# Altium PCB m-BLANC.PcbDoc (part 6 of 15)
Units mm, origin at the board's own origin, x right, y up, seen from the top; angles counter-clockwise.
Board outline 100 x 100 mm, 6 copper layers (Top Layer, InLayer1 (GND), InLayer2 (Signal), InLayer3 (PWR), InLayer4 (GND), Bottom Layer), stack 1.634 mm thick; 322 components, 563 nets, 2865 pads, 1870 vias.
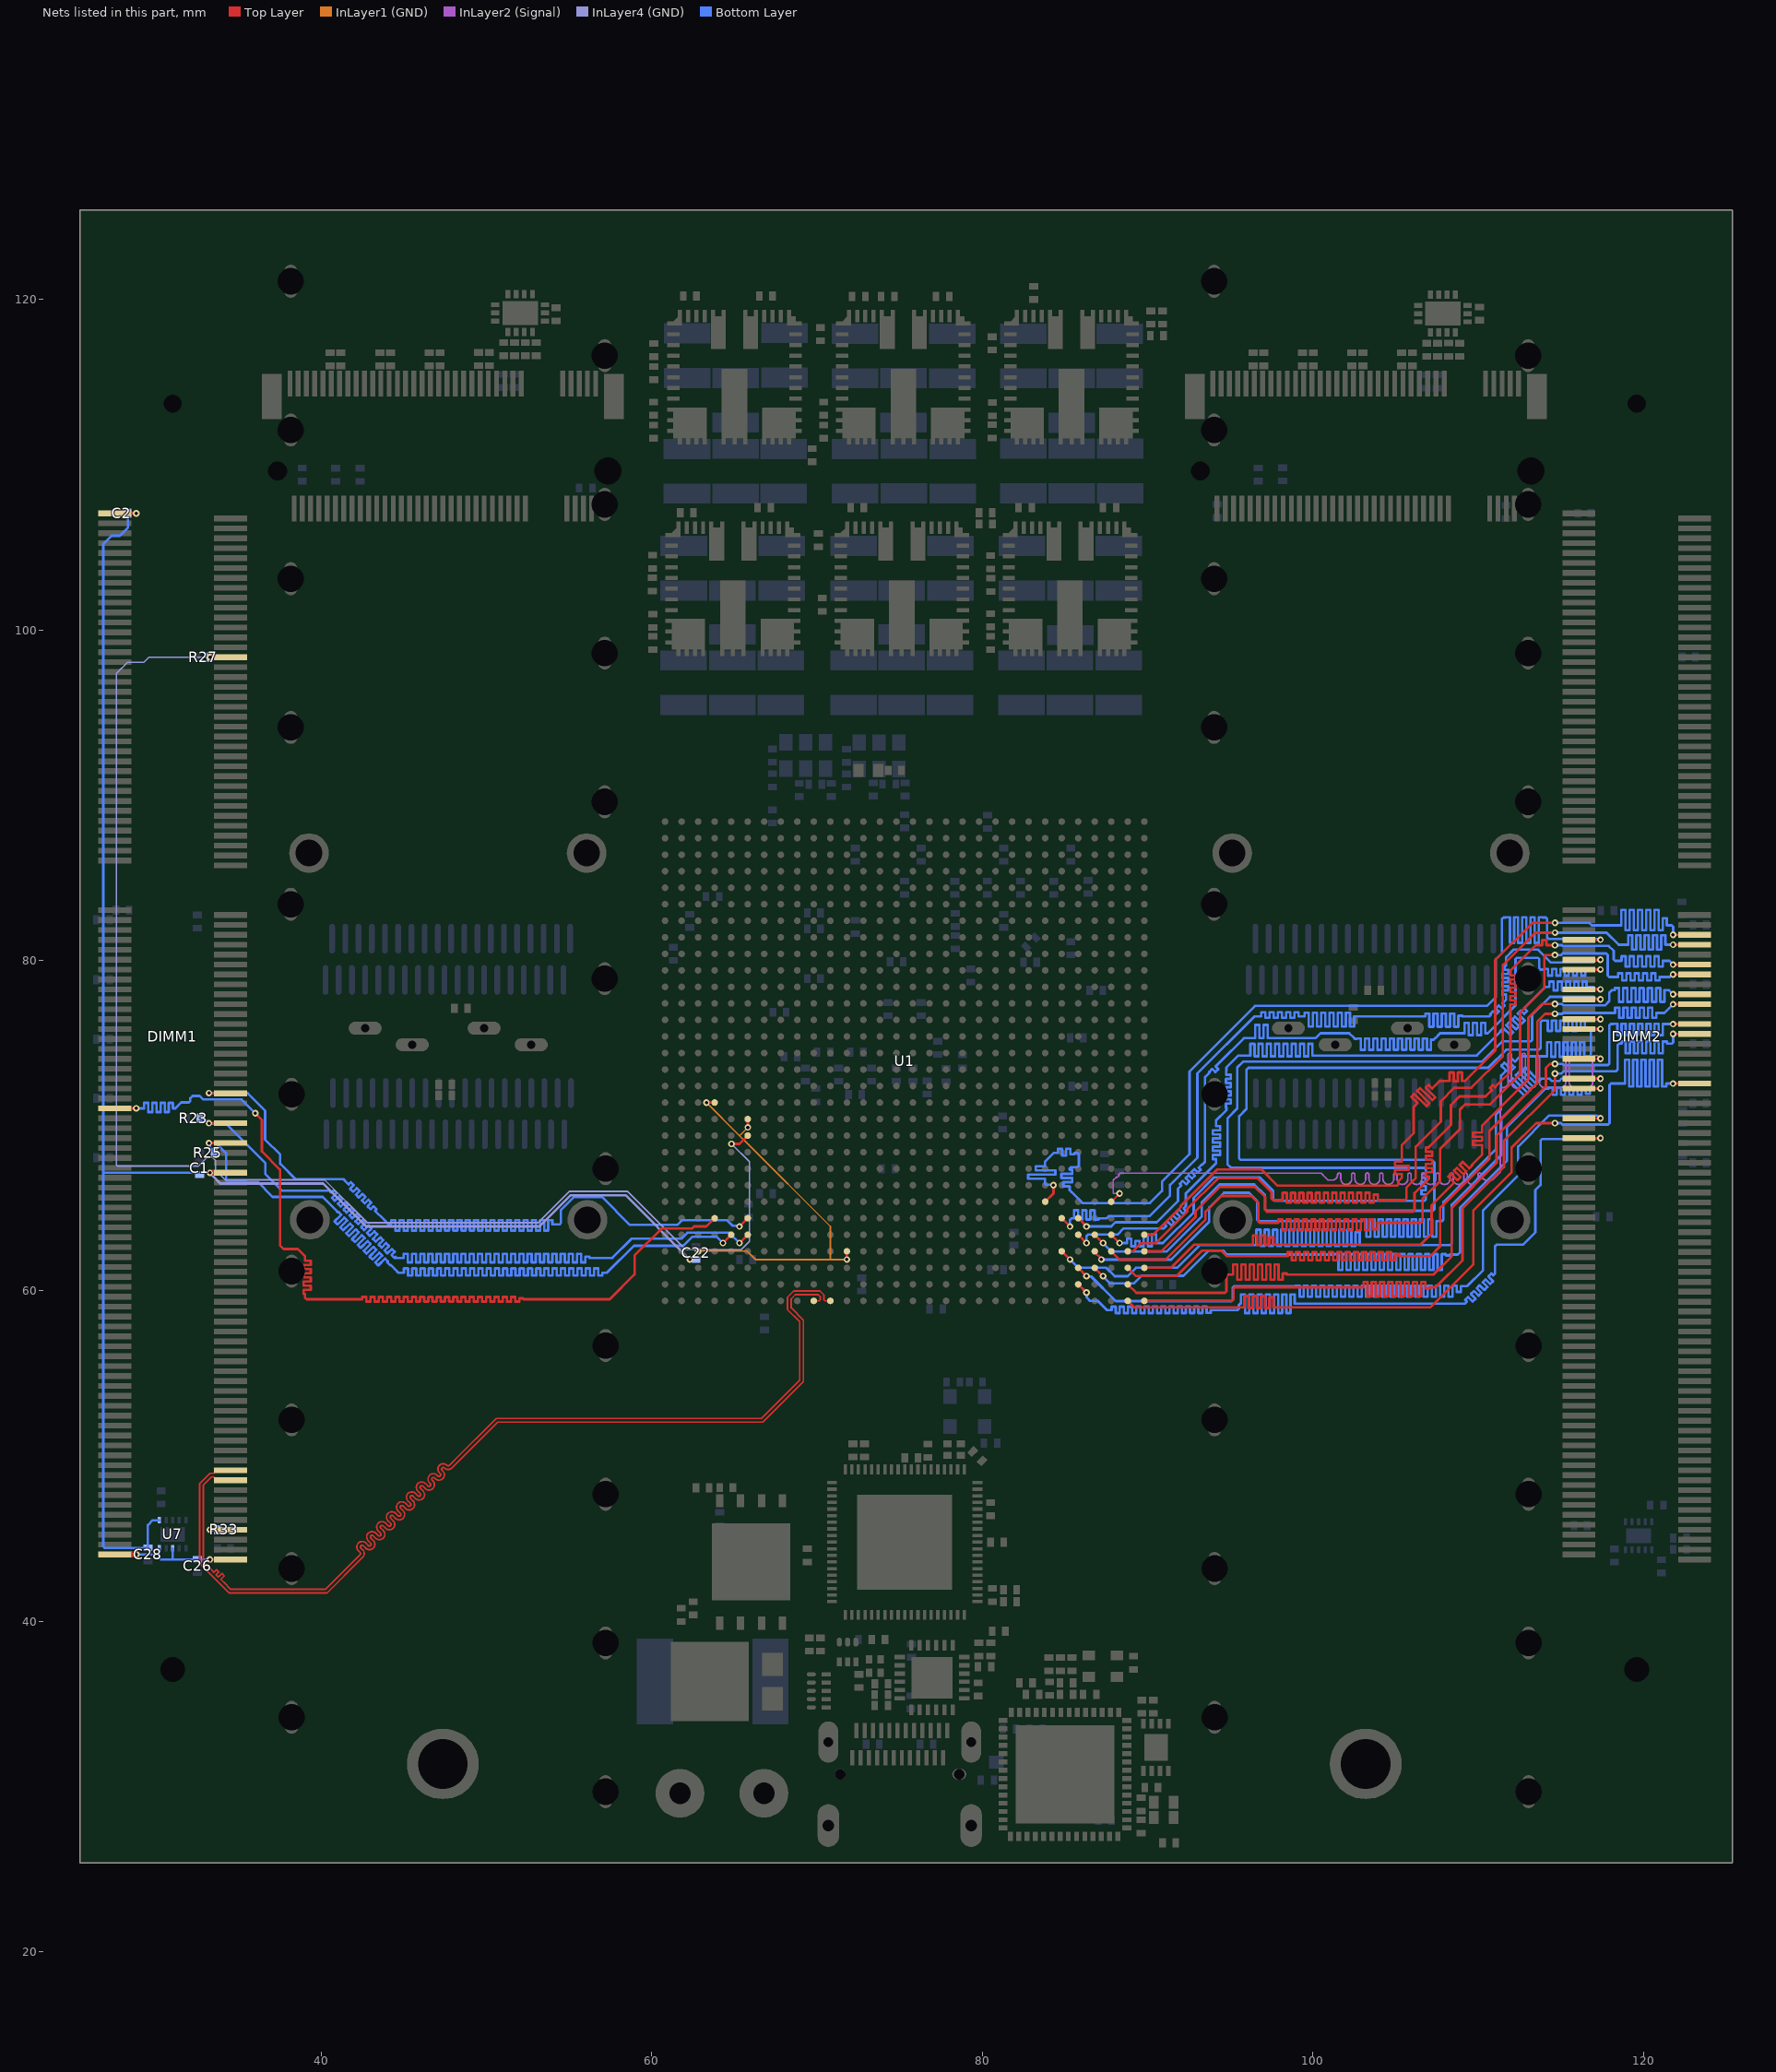
[diagram p10: the nets of this part, all layers, seen from the top]

## Via types
v1: diameter 0.4, hole 0.2, Top Layer to Bottom Layer, tented both sides, 1808 vias
v2: diameter 0.8, hole 0.4, Top Layer to Bottom Layer, tented both sides, 54 vias
v3: diameter 5, hole 3.2, Top Layer to Bottom Layer, 4 vias
v4: diameter 3.5, hole 3.2, Top Layer to Bottom Layer, 4 vias

## Nets (pads, with @x,y where several pads share a name; then routed paths per layer and width w, separated by ;. In a path a pad name is that pad's centre, name@x,y a point inside that pad or via, vN(x,y) a via of type N, cw(c..) or ccw(c..) an arc to the next point about the centre after c; other vN are vias at no path point) (continued)
DRAM1_DQS7_N: DIMM1.186 U1.AA30 | length 64.8
  Top Layer w0.1: DIMM1.186@34.5,49.15 33.675,49.15 33.55,49.025 33.55,49.021 33.491,48.962 33.257,48.962 32.625,48.331 32.625,43.522 34.431,41.717 40.335,41.717 42.382,43.764 42.496,43.878 ccw(c42.267,44.108) 42.53,44.3 42.53,44.305 42.497,44.338 ; 42.537,44.581 ccw(c42.465,44.511) 42.395,44.44 42.496,44.339 ; 42.537,44.581 42.681,44.437 ccw(c42.91,44.667) 43.14,44.437 ; 42.996,45.041 cw(c43.066,45.112) 43.138,45.182 ; 42.997,45.04 43.14,44.897 cw(c42.91,44.667) 43.141,44.438 ; 43.138,45.182 43.282,45.038 ccw(c43.512,45.268) 43.741,45.038 ccw(c43.512,45.268) 43.741,45.498 ; 43.597,45.642 cw(c43.667,45.713) 43.739,45.783 43.883,45.639 ccw(c44.113,45.869) 44.342,45.639 ; 43.598,45.641 43.741,45.498 ; 44.199,46.242 44.342,46.099 cw(c44.113,45.869) 44.343,45.64 ; 44.198,46.243 cw(c44.269,46.314) 44.34,46.384 44.484,46.24 ccw(c44.714,46.47) 44.943,46.24 ; 44.941,46.985 ccw(c44.87,46.915) 44.799,46.844 44.943,46.7 cw(c44.714,46.47) 44.944,46.241 ; 44.941,46.985 45.085,46.841 ccw(c45.315,47.071) 45.544,47.301 45.401,47.445 ; 45.4,47.445 cw(c45.471,47.516) 45.4,47.587 cw(c45.471,47.516) 45.542,47.586 ; 45.542,47.586 45.686,47.442 ccw(c45.916,47.672) 46.145,47.902 ; 46.001,48.046 cw(c46.072,48.117) 46.001,48.188 cw(c46.072,48.117) 46.143,48.187 46.287,48.043 ccw(c46.517,48.273) 46.746,48.503 46.706,48.543 ; 46.002,48.046 46.145,47.903 ; 46.706,48.544 cw(c46.776,48.615) 46.705,48.685 cw(c46.776,48.615) 46.847,48.685 ; 46.847,48.685 46.888,48.644 ccw(c47.118,48.874) 47.347,49.104 47.306,49.146 ; 47.305,49.146 cw(c47.376,49.217) 47.305,49.288 cw(c47.376,49.217) 47.446,49.288 ; 47.447,49.287 ccw(c47.676,49.518) 47.907,49.288 48.102,49.484 ; 48.103,49.485 48.218,49.6 50.679,52.061 66.718,52.061 69.173,54.515 69.173,58.231 68.432,58.973 68.432,59.527 68.68,59.775 70.071,59.775 70.187,59.658 70.187,59.459 70.129,59.4 U1.AA30@69.8,59.4 ; 42.497,44.338 ccw(c42.267,44.108) 42.496,44.339
DRAM1_DQS7_P: DIMM1.188 U1.Y30 | length 65.5
  Top Layer w0.1: DIMM1.188@34.5,48.55 33.675,48.55 33.55,48.675 33.55,48.679 33.491,48.737 33.35,48.737 32.85,48.237 32.85,43.615 33.392,43.073 33.492,42.974 33.656,43.138 33.797,42.997 33.633,42.833 33.774,42.691 33.982,42.899 34.124,42.758 33.916,42.55 34.057,42.408 34.093,42.373 34.524,41.942 40.242,41.942 42.223,43.923 42.337,44.037 ccw(c42.267,44.108) 42.337,44.18 ; 42.337,44.18 42.236,44.281 cw(c42.465,44.511) 42.696,44.74 42.839,44.597 ; 42.839,44.596 ccw(c42.91,44.667) 42.981,44.596 ccw(c42.91,44.667) 42.981,44.738 42.837,44.882 cw(c43.066,45.112) 43.297,45.341 43.44,45.198 ccw(c43.512,45.268) 43.582,45.197 ccw(c43.512,45.268) 43.582,45.339 43.438,45.483 cw(c43.667,45.713) 43.898,45.942 44.041,45.799 ccw(c44.113,45.869) 44.183,45.798 ccw(c44.113,45.869) 44.183,45.94 ; 44.183,45.94 44.039,46.084 cw(c44.269,46.314) 44.499,46.543 ; 44.499,46.543 44.642,46.4 ; 44.643,46.4 ccw(c44.714,46.47) 44.784,46.399 ccw(c44.714,46.47) 44.784,46.541 44.64,46.685 cw(c44.87,46.915) 45.1,47.144 ; 45.1,47.144 45.243,47.001 ; 45.24,47.745 ccw(c45.471,47.516) 45.241,47.286 45.385,47.142 cw(c45.315,47.071) 45.244,47.001 ; 45.241,47.746 cw(c45.471,47.516) 45.701,47.745 45.844,47.602 ccw(c45.916,47.672) 45.986,47.743 45.842,47.887 cw(c46.072,48.117) 45.841,48.346 ; 45.842,48.347 cw(c46.072,48.117) 46.302,48.346 46.445,48.203 ccw(c46.517,48.273) 46.587,48.344 ; 46.546,48.844 ccw(c46.776,48.615) 46.546,48.385 46.587,48.344 ; 46.547,48.845 cw(c46.776,48.615) 47.006,48.844 47.046,48.804 ; 47.047,48.804 ccw(c47.118,48.874) 47.188,48.945 47.146,48.987 cw(c47.376,49.217) 47.145,49.446 ; 47.146,49.448 cw(c47.376,49.217) 47.605,49.447 ; 47.606,49.447 ccw(c47.676,49.518) 47.747,49.447 ; 47.748,49.448 47.943,49.643 ; 47.944,49.644 48.059,49.759 50.586,52.286 66.625,52.286 68.948,54.608 68.948,58.138 68.207,58.879 68.207,59.62 68.587,60 70.164,60 70.413,59.751 70.413,59.459 70.471,59.4 U1.Y30@70.8,59.4
DRAM1_EVENT#: DIMM1.198 R33.1 | length 1.7
  Top Layer w0.15: v1(33.25,45.55) DIMM1.198@34.5,45.55
  Bottom Layer w0.15: v1(33.25,45.55) 33.704,45.55 R33.1@33.71,45.556
DRAM1_ODT0: DIMM1.116 R23.1 U1.AE26 | length 70.7
  Top Layer w0.15: v1(33.2,70.15) DIMM1.116@34.5,70.15 ; v1(65.3,62.9) U1.AE26@65.8,63.4
  Bottom Layer w0.15: R23.1@32.649,70.458 32.771,70.336 32.987,70.336 33.173,70.15 v1(33.2,70.15) 33.226,70.124 34.228,70.124 36.603,67.75 36.603,67.097 37.635,66.065 40.487,66.065 40.55,66.001 40.604,65.948 40.734,66.079 40.911,65.902 40.64,65.631 40.817,65.454 41.088,65.725 41.265,65.548 40.994,65.277 41.17,65.101 41.441,65.372 41.618,65.195 41.347,64.924 41.524,64.747 41.795,65.018 41.972,64.841 41.701,64.57 41.878,64.394 42.148,64.664 42.325,64.488 42.054,64.217 42.231,64.04 42.502,64.311 42.679,64.134 42.408,63.863 42.585,63.686 42.856,63.957 43.032,63.781 42.761,63.51 42.938,63.333 43.209,63.604 43.386,63.427 43.115,63.156 43.292,62.979 43.563,63.25 43.739,63.073 43.469,62.803 43.645,62.626 43.916,62.897 44.093,62.72 43.822,62.449 43.999,62.272 44.27,62.543 44.447,62.366 44.246,62.166 44.423,61.989 44.493,62.059 44.551,62 44.66,62 44.9,62 44.975,62 44.975,62.251 45.225,62.251 45.225,61.729 45.475,61.729 45.475,62.251 45.725,62.251 45.725,61.729 45.975,61.729 45.975,62.251 46.225,62.251 46.225,61.729 46.475,61.729 46.475,62.251 46.725,62.251 46.725,61.729 46.975,61.729 46.975,62.251 47.225,62.251 47.225,61.729 47.475,61.729 47.475,62.251 47.725,62.251 47.725,61.729 47.975,61.729 47.975,62.251 48.225,62.251 48.225,61.729 48.475,61.729 48.475,62.251 48.725,62.251 48.725,61.729 48.975,61.729 48.975,62.251 49.225,62.251 49.225,61.729 49.475,61.729 49.475,62.251 49.725,62.251 49.725,61.729 49.975,61.729 49.975,62.251 50.225,62.251 50.225,61.729 50.475,61.729 50.475,62.251 50.725,62.251 50.725,61.729 50.975,61.729 50.975,62.251 51.225,62.251 51.225,61.729 51.475,61.729 51.475,62.251 51.725,62.251 51.725,61.729 51.975,61.729 51.975,62.251 52.225,62.251 52.225,61.729 52.475,61.729 52.475,62.251 52.725,62.251 52.725,61.729 52.975,61.729 52.975,62.251 53.225,62.251 53.225,61.729 53.475,61.729 53.475,62.251 53.725,62.251 53.725,61.729 53.975,61.729 53.975,62.251 54.225,62.251 54.225,61.729 54.475,61.729 54.475,62.251 54.725,62.251 54.725,61.729 54.975,61.729 54.975,62.251 55.225,62.251 55.225,61.729 55.475,61.729 55.475,62.251 55.725,62.251 55.725,61.729 55.975,61.729 55.975,62.075 56.225,62.075 56.225,62 57.391,62 57.6,62 58.766,63.166 61.788,63.166 62.147,63.525 64.675,63.525 v1(65.3,62.9)
DRAM1_ODT1: DIMM1.120 R25.1 U1.AF26 | length 69.4
  Top Layer w0.15: v1(33.2,68.95) DIMM1.120@34.5,68.95 ; v1(64.3,62.9) U1.AF26@64.8,63.4
  Bottom Layer w0.15: R25.1@33.51,68.349 33.51,68.424 33.248,68.686 33.248,68.902 v1(33.2,68.95) 33.615,68.95 34.245,68.32 34.245,66.688 34.332,66.6 36.14,66.6 37.046,65.693 40.071,65.693 40.949,64.815 41.003,64.762 41.032,64.791 41.208,64.615 40.793,64.2 40.97,64.023 41.385,64.438 41.562,64.261 41.147,63.846 41.324,63.669 41.739,64.084 41.915,63.907 41.501,63.493 41.677,63.316 42.092,63.731 42.269,63.554 41.854,63.139 42.031,62.962 42.446,63.377 42.623,63.2 42.208,62.785 42.384,62.609 42.799,63.024 42.976,62.847 42.561,62.432 42.738,62.255 43.153,62.67 43.33,62.493 42.915,62.078 43.092,61.902 43.506,62.316 43.683,62.14 43.268,61.725 43.445,61.548 43.86,61.963 44.037,61.786 43.991,61.74 44.168,61.564 44.184,61.58 44.422,61.342 44.665,61.1 44.922,61.1 44.997,61.1 44.997,61.369 45.247,61.369 45.247,60.936 45.497,60.936 45.497,61.369 45.747,61.369 45.747,60.936 45.997,60.936 45.997,61.369 46.247,61.369 46.247,60.936 46.497,60.936 46.497,61.369 46.747,61.369 46.747,60.936 46.997,60.936 46.997,61.369 47.247,61.369 47.247,60.936 47.497,60.936 47.497,61.369 47.747,61.369 47.747,60.936 47.997,60.936 47.997,61.369 48.247,61.369 48.247,60.936 48.497,60.936 48.497,61.369 48.747,61.369 48.747,60.936 48.997,60.936 48.997,61.369 49.247,61.369 49.247,60.936 49.497,60.936 49.497,61.369 49.747,61.369 49.747,60.936 49.997,60.936 49.997,61.369 50.247,61.369 50.247,60.936 50.497,60.936 50.497,61.369 50.747,61.369 50.747,60.936 50.997,60.936 50.997,61.369 51.247,61.369 51.247,60.936 51.497,60.936 51.497,61.369 51.747,61.369 51.747,60.936 51.997,60.936 51.997,61.369 52.247,61.369 52.247,60.936 52.497,60.936 52.497,61.369 52.747,61.369 52.747,60.936 52.997,60.936 52.997,61.369 53.247,61.369 53.247,60.936 53.497,60.936 53.497,61.369 53.747,61.369 53.747,60.936 53.997,60.936 53.997,61.369 54.247,61.369 54.247,60.936 54.497,60.936 54.497,61.369 54.747,61.369 54.747,60.936 54.997,60.936 54.997,61.369 55.247,61.369 55.247,60.936 55.497,60.936 55.497,61.369 55.747,61.369 55.747,60.936 55.997,60.936 55.997,61.369 56.247,61.369 56.247,60.936 56.497,60.936 56.497,61.369 56.747,61.369 56.747,60.936 56.997,60.936 56.997,61.1 57.095,61.1 57.274,61.1 58.91,62.737 61.899,62.737 62.438,63.275 63.925,63.275 v1(64.3,62.9)
DRAM1_RAS#: DIMM1.110 U1.AE25 | length 68.1
  Top Layer w0.15: v1(33.2,71.975) 33.212,71.963 34.487,71.963 DIMM1.110@34.5,71.95 ; v1(65.3,63.9) U1.AE25@65.8,64.4
  Bottom Layer w0.15: v1(33.2,71.975) 35.531,71.975 36.598,70.909 36.598,69.154 37.505,68.247 37.505,67.695 38.435,66.765 41.335,66.765 41.6,66.5 41.653,66.447 41.785,66.579 41.962,66.402 41.74,66.18 41.917,66.003 42.139,66.225 42.315,66.049 42.093,65.827 42.27,65.65 42.492,65.872 42.669,65.695 42.447,65.473 42.624,65.296 42.846,65.518 43.023,65.342 42.8,65.119 42.977,64.943 43.161,65.126 43.338,64.95 43.244,64.856 43.812,64.288 44.072,64.028 44.156,64.028 44.231,64.028 44.231,64.283 44.481,64.283 44.481,63.653 44.731,63.653 44.731,64.283 44.981,64.283 44.981,63.653 45.231,63.653 45.231,64.283 45.481,64.283 45.481,63.653 45.731,63.653 45.731,64.283 45.981,64.283 45.981,63.653 46.231,63.653 46.231,64.283 46.481,64.283 46.481,63.653 46.731,63.653 46.731,64.283 46.981,64.283 46.981,63.653 47.231,63.653 47.231,64.283 47.481,64.283 47.481,63.653 47.731,63.653 47.731,64.283 47.981,64.283 47.981,63.653 48.231,63.653 48.231,64.283 48.481,64.283 48.481,63.653 48.731,63.653 48.731,64.283 48.981,64.283 48.981,63.653 49.231,63.653 49.231,64.283 49.481,64.283 49.481,63.653 49.731,63.653 49.731,64.283 49.981,64.283 49.981,63.653 50.231,63.653 50.231,64.283 50.481,64.283 50.481,63.653 50.731,63.653 50.731,64.283 50.981,64.283 50.981,63.653 51.231,63.653 51.231,64.283 51.481,64.283 51.481,63.653 51.731,63.653 51.731,64.283 51.981,64.283 51.981,63.653 52.231,63.653 52.231,64.283 52.481,64.283 52.481,63.653 52.731,63.653 52.731,64.283 52.981,64.283 52.981,63.653 53.231,63.653 53.231,64.283 53.481,64.283 53.481,63.653 53.731,63.653 53.731,64.283 53.981,64.283 53.981,64.028 54.121,64.028 54.412,64.028 54.5,64.116 54.5,64.9 55.286,65.686 56.987,65.686 58.673,64 61.533,64 61.808,64.275 64.557,64.275 64.884,63.948 65.252,63.948 v1(65.3,63.9)
DRAM1_RESET#: DIMM1.30 R27.1 U1.AE20 | length 87.6
  Top Layer w0.15: v1(33.25,98.35) DIMM1.30@34.5,98.35 ; v1@64.826,68.9 65.3,68.9 U1.AE20@65.8,69.4
  InLayer4 (GND) w0.1: v1(33.25,98.35) 29.565,98.35 29.258,98.043 28.279,98.043 27.6,97.364 27.6,67.619 27.659,67.56 32.565,67.56 33.105,68.1 33.395,68.1 33.6,67.895 33.6,67.307 34.182,66.725 40.193,66.725 42.793,64.125 53.102,64.125 54.998,66.02 58.533,66.02 62.054,62.5 65.395,62.5 65.9,63.005 65.9,67.815 v1(64.815,68.9)
DRAM1_VTT: C26.1 DIMM1.203 DIMM1.204 U7.3 U7.5 | length 8.3
  Top Layer w0.15: v1(33.25,43.75) DIMM1.204@34.5,43.75
  Top Layer w0.35: DIMM1.203@27.5,44.05 v1(28.8,44.05)
  Bottom Layer w0.15: v1(28.8,44.05) 30.2,44.05 ; U7.5@30.2,44.425 30.2,44.05 ; U7.3@31,44.425 31,43.75 ; v1(33.25,43.75) 32.494,43.75 31,43.75 ; 30.2,44.05 30.2,43.838 30.288,43.75 31,43.75
DRAM1_VTTREF: C1.2 C2.2 C22.2 C28.2 DIMM1.1 DIMM1.126 U1.AE19 U1.AG18 U1.AH27 U1.W27 U7.6 | length 136
  Top Layer w0.15: DIMM1.1@27.5,107.05 v1@28.75,107.05 ; v1(62.3,61.9) U1.AH27@62.8,62.4 ; v1(63.3,71.4) U1.AG18@63.8,71.4 ; U1.AE19@65.8,70.4 65.802,70.398 65.802,69.902 v1(65.805,69.9) ; v1(71.8,61.9) U1.W27@71.8,62.4
  Top Layer w0.35: v1(33.25,67.15) DIMM1.126@34.5,67.15
  InLayer1 (GND) w0.1: v1(62.3,61.9) 62.812,62.412 65.764,62.412 66.276,61.9 70.8,61.9 ; v1(63.3,71.4) 65.302,69.398 ; v1(65.805,69.9) 65.302,69.398 ; v1(71.8,61.9) 70.8,61.9 ; 65.302,69.398 65.7,69 65.705,69 70.8,63.905 70.8,61.9
  InLayer4 (GND) w0.15: v1(33.25,67.15) 33.9,66.5 40.1,66.5 42.7,63.9 53.2,63.9 55.095,65.795 58.405,65.795 v1(62.3,61.9)
  Bottom Layer w0.15: C2.2@28.306,107.058 C2.2@28.3,107.051 ; v1@28.75,107.05 C2.2@28.3,107.05 ; U7.6@30.2,46.125 29.795,46.125 29.5,45.83 C28.2@29.5,44.45 26.888,44.45 26.8,44.538 26.8,67.15 ; v1(33.25,67.15) 26.8,67.15 ; 26.8,67.15 26.8,105.2 27.3,105.7 27.8,105.7 28.3,106.2 C2.2@28.3,107.05
  other v1: 28.8,107.05
DRAM1_WE#: DIMM1.113 U1.AG25 | length 67.7
  Top Layer w0.15: DIMM1.113@27.5,71.05 v1(28.8,71.05) ; v1(36,70.75) 36.401,70.35 36.401,68.446 37.5,67.346 37.5,62.755 37.716,62.539 38.572,62.539 39.016,62.095 39.016,61.895 39.016,61.82 39.355,61.82 39.355,61.57 38.919,61.57 38.919,61.32 39.355,61.32 39.355,61.07 38.919,61.07 38.919,60.82 39.355,60.82 39.355,60.57 38.919,60.57 38.919,60.32 39.355,60.32 39.355,60.07 38.919,60.07 38.919,59.82 39.016,59.82 39.016,59.585 39.077,59.523 39.104,59.497 42.399,59.497 42.474,59.497 42.474,59.632 42.724,59.632 42.724,59.36 42.974,59.36 42.974,59.632 43.224,59.632 43.224,59.36 43.474,59.36 43.474,59.632 43.724,59.632 43.724,59.36 43.974,59.36 43.974,59.632 44.224,59.632 44.224,59.36 44.474,59.36 44.474,59.632 44.724,59.632 44.724,59.36 44.974,59.36 44.974,59.632 45.224,59.632 45.224,59.36 45.474,59.36 45.474,59.632 45.724,59.632 45.724,59.36 45.974,59.36 45.974,59.632 46.224,59.632 46.224,59.36 46.474,59.36 46.474,59.632 46.724,59.632 46.724,59.36 46.974,59.36 46.974,59.632 47.224,59.632 47.224,59.36 47.474,59.36 47.474,59.632 47.724,59.632 47.724,59.36 47.974,59.36 47.974,59.632 48.224,59.632 48.224,59.36 48.474,59.36 48.474,59.632 48.724,59.632 48.724,59.36 48.974,59.36 48.974,59.632 49.224,59.632 49.224,59.36 49.474,59.36 49.474,59.632 49.724,59.632 49.724,59.36 49.974,59.36 49.974,59.632 50.224,59.632 50.224,59.36 50.474,59.36 50.474,59.632 50.724,59.632 50.724,59.36 50.974,59.36 50.974,59.632 51.224,59.632 51.224,59.36 51.474,59.36 51.474,59.632 51.724,59.632 51.724,59.36 51.974,59.36 51.974,59.55 52.224,59.55 52.224,59.497 52.482,59.497 57.45,59.497 58.949,60.997 58.949,62.14 60.584,63.775 62.426,63.775 62.551,63.9 63.3,63.9 U1.AG25@63.8,64.4
  Bottom Layer w0.15: v1(28.8,71.05) 29.194,71.05 29.269,71.05 29.269,71.384 29.519,71.384 29.519,70.823 29.769,70.823 29.769,71.384 30.019,71.384 30.019,70.823 30.269,70.823 30.269,71.384 30.519,71.384 30.519,70.823 30.769,70.823 30.769,71.384 31.019,71.384 31.019,71.05 31.16,71.05 31.262,71.152 31.517,71.407 31.978,71.407 32.066,71.495 32.066,71.658 32.208,71.8 32.635,71.8 32.852,71.583 35.167,71.583 v1(36,70.75)
DRAM2_A0: DIMM2.98 U1.A30 | length 65
  Top Layer w0.15: U1.A30@89.8,59.4 95.112,59.4 95.2,59.488 95.2,60.13 95.288,60.218 102.984,60.218 103.059,60.218 103.059,60.536 103.309,60.536 103.309,59.685 103.559,59.685 103.559,60.536 103.809,60.536 103.809,59.685 104.059,59.685 104.059,60.536 104.309,60.536 104.309,59.685 104.559,59.685 104.559,60.536 104.809,60.536 104.809,59.685 105.059,59.685 105.059,60.536 105.309,60.536 105.309,59.685 105.559,59.685 105.559,60.536 105.809,60.536 105.809,59.685 106.059,59.685 106.059,60.536 106.309,60.536 106.309,59.685 106.559,59.685 106.559,60.536 106.809,60.536 106.809,60.15 107.059,60.15 107.059,60.218 107.418,60.218 107.464,60.264 109.051,61.851 109.051,64.987 111.562,67.498 111.562,69.086 114.65,72.175 v1(114.65,73.152) ; v1(121.8,75.55) DIMM2.98@123.1,75.55
  Bottom Layer w0.15: v1(114.65,73.152) 115.032,73.152 115.181,73.3 118.352,73.3 118.44,73.388 118.44,74.872 118.527,74.96 118.602,74.96 118.677,74.96 118.677,75.098 118.927,75.098 118.927,74.378 119.177,74.378 119.177,75.098 119.427,75.098 119.427,74.378 119.677,74.378 119.677,75.098 119.927,75.098 119.927,74.378 120.177,74.378 120.177,75.098 120.427,75.098 120.427,74.378 120.677,74.378 120.677,75.098 120.927,75.098 120.927,74.378 121.177,74.378 121.177,75.098 121.427,75.098 121.427,74.96 121.7,74.96 121.712,74.96 121.8,75.047 v1(121.8,75.55)
DRAM2_A1: DIMM2.97 U1.D27 | length 74.1
  Top Layer w0.15: U1.D27@86.8,62.4 86.8,62.35 87.2,61.95 v1(87.2,61.9) ; DIMM2.97@116.1,75.85 117.221,75.85 v1(117.4,75.85)
  Bottom Layer w0.15: v1@87.213,61.9 91.425,61.9 93.724,64.198 93.724,65.047 94.617,65.941 96.133,65.941 96.619,65.455 96.619,64.315 96.706,64.227 102.905,64.227 102.98,64.227 102.98,64.337 103.23,64.337 103.23,63.276 103.48,63.276 103.48,64.337 103.73,64.337 103.73,63.276 103.98,63.276 103.98,64.337 104.23,64.337 104.23,63.276 104.48,63.276 104.48,64.337 104.73,64.337 104.73,63.276 104.98,63.276 104.98,64.337 105.23,64.337 105.23,63.276 105.48,63.276 105.48,64.337 105.73,64.337 105.73,63.276 105.98,63.276 105.98,64.337 106.23,64.337 106.23,63.276 106.48,63.276 106.48,64.337 106.73,64.337 106.73,63.276 106.98,63.276 106.98,64.337 107.23,64.337 107.23,63.276 107.48,63.276 107.48,64.227 107.702,64.227 107.812,64.227 107.9,64.315 107.9,65.391 111.071,68.562 111.071,70.671 111.385,70.985 111.385,73.032 111.641,73.288 111.694,73.342 111.407,73.629 111.584,73.806 112.027,73.362 112.204,73.539 111.881,73.862 112.058,74.039 112.224,73.872 112.436,74.083 112.553,74.2 114.092,74.2 114.167,74.2 114.167,75.06 114.417,75.06 114.417,74.171 114.667,74.171 114.667,75.06 114.917,75.06 114.917,74.171 115.167,74.171 115.167,75.06 115.417,75.06 115.417,74.171 115.667,74.171 115.667,75.06 115.917,75.06 115.917,74.171 116.167,74.171 116.167,75.06 116.417,75.06 116.417,74.2 116.701,74.2 116.733,74.2 116.821,74.288 116.821,75.762 116.909,75.85 v1(117.4,75.85)
DRAM2_A2: DIMM2.96 U1.B29 | length 66.2
  Top Layer w0.15: U1.B29@88.8,60.4 89.314,59.886 94.677,59.886 94.765,59.974 94.765,60.901 94.852,60.988 95.099,60.988 95.174,60.988 95.174,61.609 95.424,61.609 95.424,60.675 95.674,60.675 95.674,61.609 95.924,61.609 95.924,60.675 96.174,60.675 96.174,61.609 96.424,61.609 96.424,60.675 96.674,60.675 96.674,61.609 96.924,61.609 96.924,60.675 97.174,60.675 97.174,61.609 97.424,61.609 97.424,60.675 97.674,60.675 97.674,61.609 97.924,61.609 97.924,60.675 98.174,60.675 98.174,61.055 98.424,61.055 98.424,60.988 98.6,60.988 107.3,60.988 108.403,62.091 108.403,65.036 111.12,67.752 111.12,69.406 114.101,72.387 114.101,73.501 114.344,73.744 v1(114.65,73.744) ; v1(121.8,76.15) DIMM2.96@123.1,76.15
  Bottom Layer w0.15: v1(114.65,73.744) 115.093,73.744 115.162,73.675 117.85,73.675 117.938,73.763 117.938,76.062 118.025,76.15 118.106,76.15 118.181,76.15 118.181,76.173 118.431,76.173 118.431,75.481 118.681,75.481 118.681,76.173 118.931,76.173 118.931,75.481 119.181,75.481 119.181,76.173 119.431,76.173 119.431,75.481 119.681,75.481 119.681,76.173 119.931,76.173 119.931,75.481 120.181,75.481 120.181,76.173 120.431,76.173 120.431,75.481 120.681,75.481 120.681,76.173 120.931,76.173 120.931,75.481 121.181,75.481 121.181,76.15 121.544,76.15 v1(121.8,76.15)
DRAM2_A3: DIMM2.95 U1.D26 | length 75.4
  Top Layer w0.15: U1.D26@86.8,63.4 v1(87.3,62.9) ; DIMM2.95@116.1,76.45 117.221,76.45 v1(117.4,76.45)
  Bottom Layer w0.15: v1(87.3,62.9) 87.823,62.377 91.137,62.377 93.283,64.523 93.283,65.377 94.353,66.447 96.453,66.447 97.1,65.8 97.1,64.939 97.188,64.851 107.254,64.851 107.349,64.946 107.349,67.775 107.194,67.929 95.626,67.929 95.538,68.017 95.538,70.584 95.982,71.027 95.982,73.387 96.095,73.5 110.6,73.5 111.7,74.6 113.692,74.6 113.779,74.688 113.779,76.268 113.867,76.356 113.887,76.356 113.962,76.356 ; 113.962,76.357 114.212,76.357 114.212,75.735 114.462,75.735 114.462,76.357 114.712,76.357 114.712,75.735 114.962,75.735 114.962,76.357 115.212,76.357 115.212,75.735 115.462,75.735 115.462,76.357 115.712,76.357 115.712,75.735 115.962,75.735 115.962,76.357 116.212,76.357 116.212,75.918 116.462,75.918 116.462,76.356 116.682,76.356 116.711,76.385 116.751,76.424 117.375,76.424 v1(117.4,76.45)